# KiCad board SNES Device.kicad_pcb (continued)
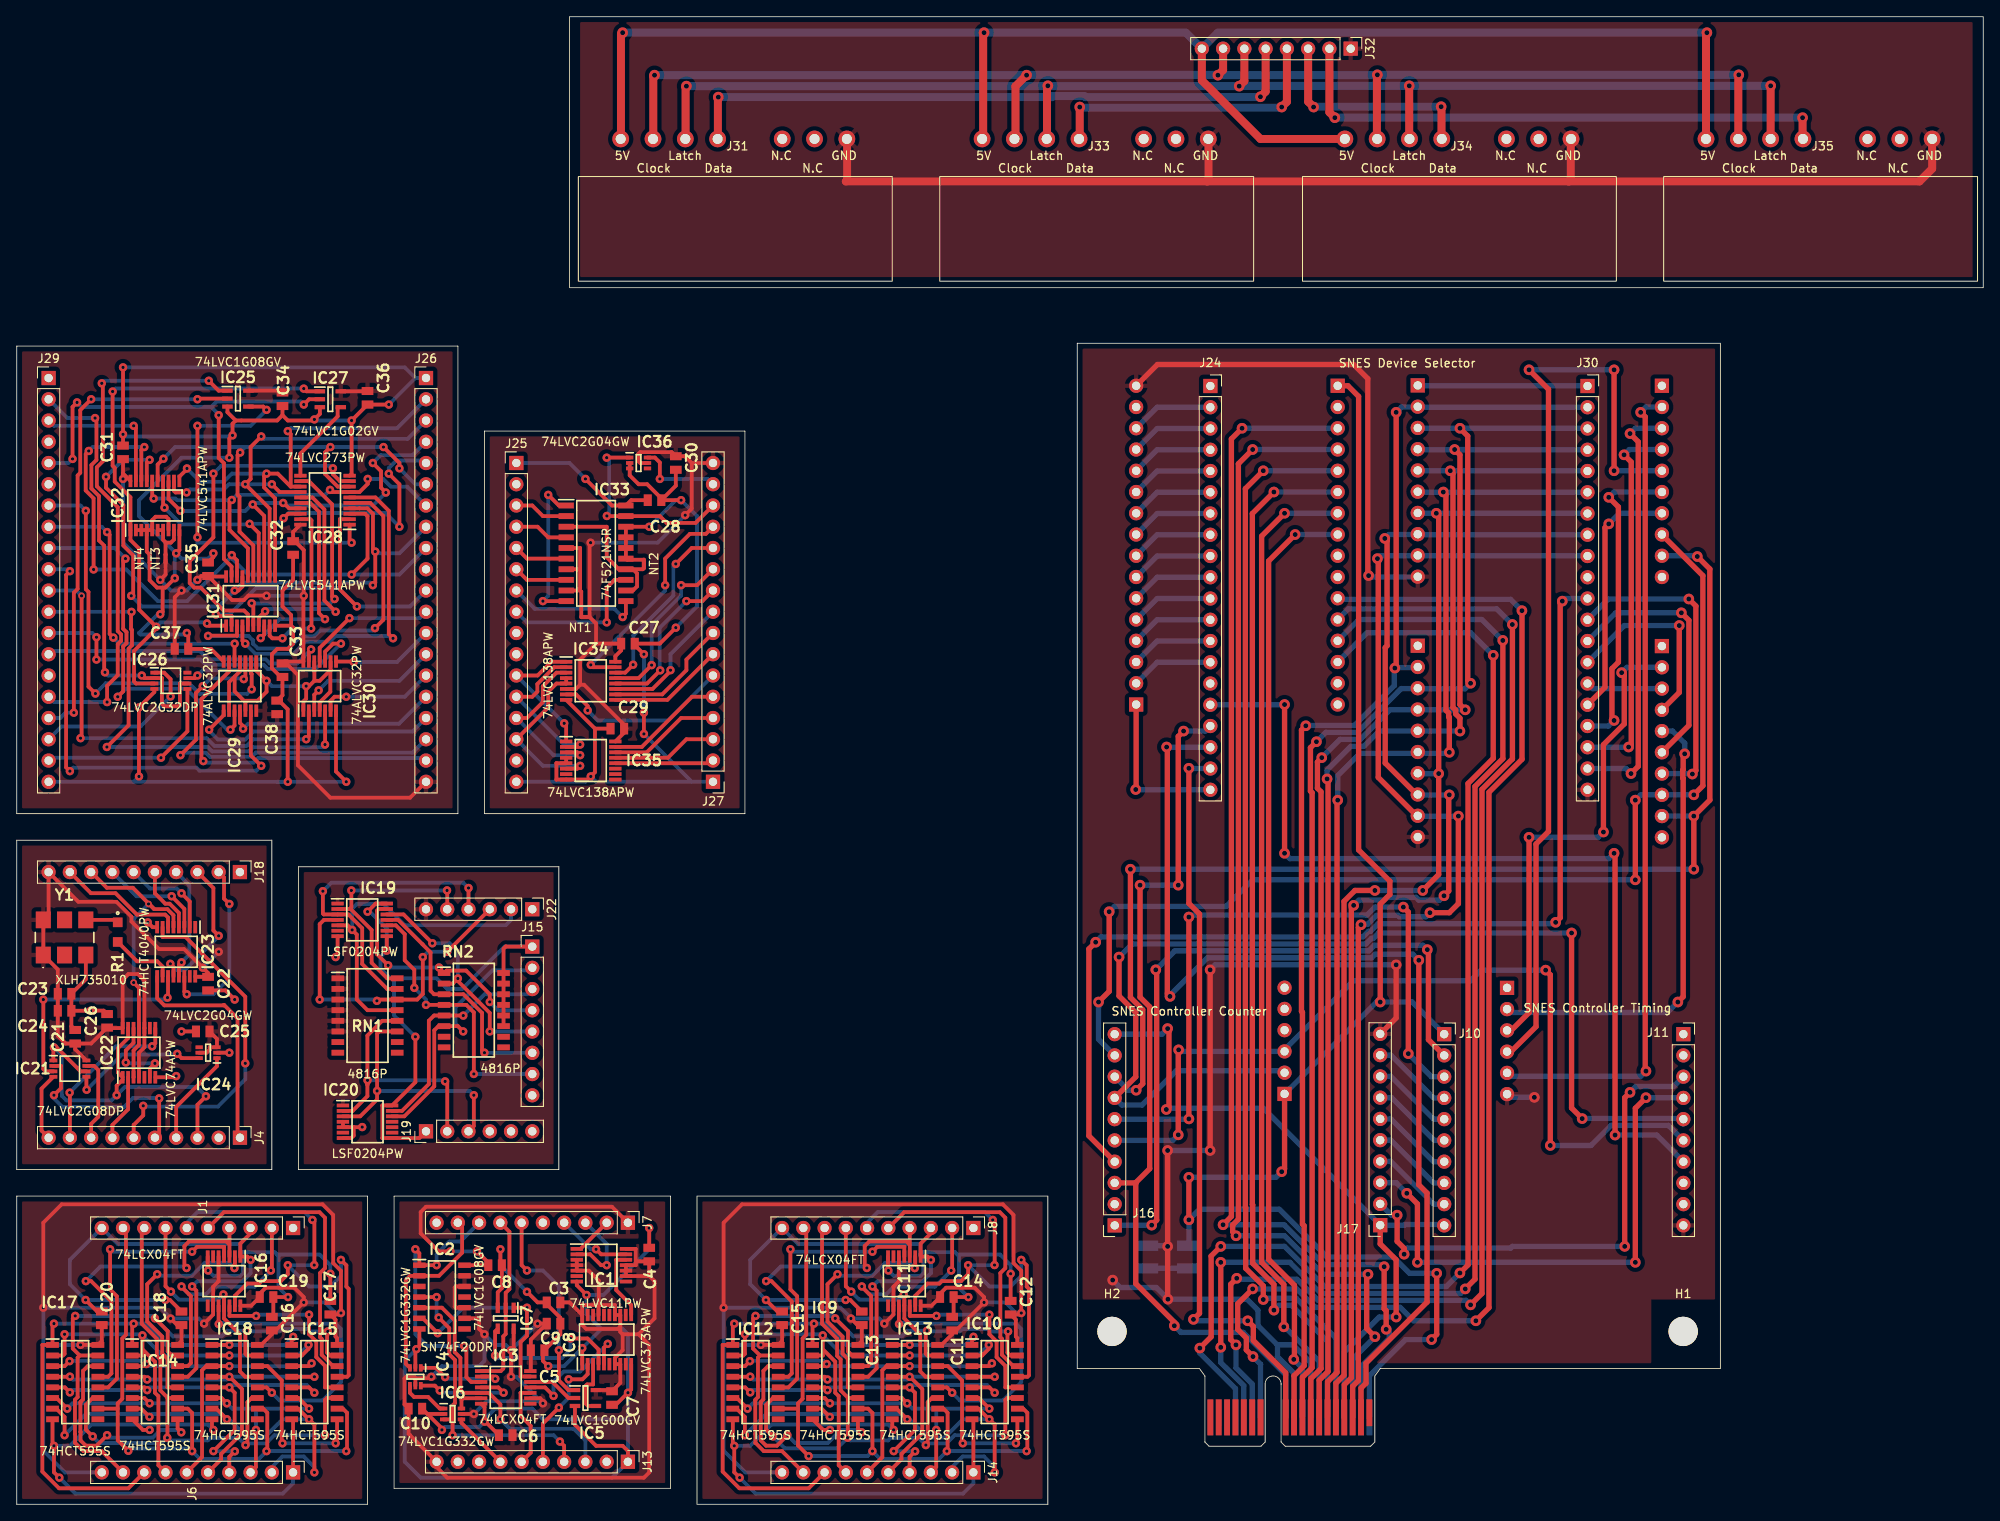
[diagram p0: board, top side]
## Routing (per net, layer and track width the routed paths; a pad name or vN(x,y) marks a point on that pad's centre or on a via; arc(x,y) is an arc through that point) (continued)
/Data7: length 154.6
  Top w0.635: v2(164.65,99.95) 164.81,100.1 v2(164.81,130.52) ; J2.A10 152.61,15.36 153.81,16.56 153.81,33.29 153.61,33.49 153.61,58.8 153.49,58.92 153.49,92.53 v2(154.01,93.05)
  Bottom w0.635: v2(154.01,93.05) 154.05,93.09 159.82,93.09 164.59,97.86 164.59,99.82 164.72,99.95 ; J30.2 167.38,131.12 ; 167.35,131.15 165.44,131.15 v2(164.81,130.52) ; v2(164.65,99.95) 164.71,100.01 167.32,100.01
/Identifier0: length 148.6
  Top w0.635: v2(163.37,28.4) 163.37,23.37 163.61,23.12 v2(163.61,20.91) ; v2(146.39,128.61) 145.12,127.34 145.12,34.41 v2(144.12,33.41)
  Bottom w0.635: J2.B2 160.61,16.46 163.99,19.85 163.99,20.53 v2(163.61,20.91) ; v2(163.37,28.4) 163.13,28.64 156.19,28.64 151.43,33.41 v2(144.12,33.41) ; J23.3 v2(146.39,128.61)
/Identifier1: length 141.5
  Top w0.635: v2(161.44,27.49) 161.29,27.34 161.29,21.01 v2(162.27,20.03) ; v2(147.66,126.07) 145.96,124.37 145.96,34.06 145.28,33.38 145.28,32.57 145.64,32.21
  Bottom w0.635: v2(162.27,20.03) 159.61,17.37 J2.B3 ; J23.4 v2(147.66,126.07) ; v2(145.67,32.09) 151.47,32.09 156.07,27.49 v2(161.44,27.49)
/Identifier2: length 129.9
  Top w0.635: v2(148.93,123.53) 146.79,121.39 146.79,35.48 146.83,35.45 146.83,28.21 148.93,26.1 v2(148.93,24.47)
  Bottom w0.635: J2.B5 157.61,19.88 152.87,24.61 149.07,24.61 v2(148.93,24.47) ; J23.5 v2(148.93,123.53)
/Identifier3: length 125.1
  Top w0.635: v2(150.2,120.99) 147.62,118.41 147.62,35.83 147.66,35.79 147.66,28.81 150.2,26.27 v2(150.2,23.2)
  Bottom w0.635: v2(150.2,23.2) 150.78,23.78 152.3,23.78 156.61,19.47 J2.B6 ; J23.6 v2(150.2,120.99)
/Identifier4: length 118.5
  Top w0.635: v2(151.38,21.21) 151.38,26.27 148.73,28.92 148.73,115.71 v2(151.47,118.45)
  Bottom w0.635: J2.B7 155.61,17.09 151.49,21.21 v2(151.38,21.21) ; J23.7 v2(151.47,118.45)
/Identifier5: length 113.7
  Top w0.635: v2(152.74,115.91) 149.57,112.74 149.57,29.26 152.65,26.18 152.65,17.4 v2(152.57,17.32)
  Bottom w0.635: v2(152.57,17.32) 153.61,16.28 J2.B9 ; J23.8 v2(152.74,115.91)
/SNES Controller Board/C Controller Clock: length 8
  Top w0.45: IC22.2 13.3,47.21 11.43,45.34 11.43,43.81
/SNES Controller Board/C Controller Latch: length 23.5
  Top w0.45: v1(4.45,48.89) 5.27,49.72 5.27,52.39 IC21.2 ; v1(17.02,48.51) 17.02,44.32 J4.5
  Bottom w0.45: v1(4.45,48.89) 4.45,48.51 5.46,47.5 12.83,47.5 13.88,48.55 16.98,48.55 v1(17.02,48.51)
/SNES Controller Board/C Counter Reset: length 11.5
  Top w0.45: J4.4 19.05,47.5 23.92,52.37 IC24.1
/SNES Controller Board/C Shift Clock: length 19.9
  Top w0.45: IC22.8 16.55,55.11 v1(16.18,54.74) ; v1(6.32,49.2) 6.35,49.17 J4.9
  Bottom w0.45: v1(6.32,49.2) 11.85,54.74 v1(16.18,54.74)
/SNES Controller Board/C ~{Reset}: length 45.5
  Top w0.45: J4.3 21.59,47.75 v1(22.61,48.77) ; 12.66,50.75 11.94,50.04 v1(11.94,48.89) ; IC21.6 7.63,51.75 4.76,54.61 v1(4.45,54.61) 4.38,54.54 IC21.1 ; IC22.1 12.11,51.59 12.11,54.53 13.3,55.73 IC22.13
  Bottom w0.45: v1(22.61,48.77) 21.5,49.88 12.92,49.88 v1(11.94,48.89) 11.32,48.28 5.93,48.28 5.39,48.82 5.39,53.66 v1(4.45,54.61)
/SNES Controller Board/C ~{Shift Reset}: length 10.1
  Top w0.45: 8.89,43.81 8.89,45.47 9.74,46.32 9.74,51.91 9.25,52.39 IC21.7
/SNES Controller Board/Controller A Data: length 98.8
  Top w0.635: v2(194.02,130.52) 194.56,129.97 194.56,51.86 v2(194.65,51.78)
  Bottom w0.635: v2(194.65,51.78) 194.03,51.15 178.46,51.15 J21.5 ; v2(194.02,130.52) 194.65,131.15 J3.2
/SNES Controller Board/Controller A ~{OE} High Byte: length 45.1
  Top w0.635: v2(192.03,125.44) 192.89,124.57 192.89,90.83 v2(192.58,90.51)
  Bottom w0.635: v2(192.58,90.51) 192.55,90.48 J30.18 ; J3.4 192.66,126.07 v2(192.03,125.44)
/SNES Controller Board/Controller A ~{OE} Low Byte: length 50.9
  Top w0.635: v2(192.86,87.34) 193.73,88.2 193.73,126.99 v2(192.75,127.98)
  Bottom w0.635: v2(192.75,127.98) 193.38,128.61 J3.3 ; v2(192.86,87.34) 192.26,87.94 J30.19
/SNES Controller Board/Controller B Data: length 112.7
  Top w0.635: v2(180.68,135.6) 183.01,133.27 183.01,80.41 181.52,78.92 181.52,57.09 178.53,54.1 J21.4 ; v2(190.84,123.53) v2(190.84,135.6)
  Bottom w0.635: v2(190.84,135.6) v2(180.68,135.6) ; J3.5 v2(190.84,123.53)
/SNES Controller Board/Controller B ~{OE} High Byte: length 29.5
  Top w0.635: v2(190.21,117.18) 189.76,116.73 189.76,97.65 J30.16
  Bottom w0.635: J3.7 191.48,118.45 v2(190.21,117.18)
/SNES Controller Board/Controller B ~{OE} Low Byte: length 37.6
  Top w0.635: v2(190.21,120.36) 191.36,119.2 191.36,100.65 190.59,99.88 190.59,93.94 v2(190.84,93.69)
  Bottom w0.635: J30.17 190.18,93.02 v2(190.84,93.69) ; J3.6 190.84,120.99 v2(190.21,120.36)
/SNES Controller Board/Controller C Data: length 58.9
  Top w0.635: v2(191.74,99.4) 192.06,99.08 192.06,93.28 189.57,90.79 v2(189.57,80.35) ; v2(180.68,79.72) 180.68,58.76 178.56,56.64 J21.3
  Bottom w0.635: J9.2 192.38,100.04 v2(191.74,99.4) ; v2(180.68,79.72) 188.94,79.72 v2(189.57,80.35)
/SNES Controller Board/Controller C ~{OE} High Byte: length 23.7
  Top w0.635: J9.4 198.63,97.03 v2(198.63,105.03)
  Bottom w0.635: v2(198.63,105.03) 192.05,105.03 J30.14
/SNES Controller Board/Controller C ~{OE} Low Byte: length 9.1
  Bottom w0.635: J9.3 188.27,97.5 J30.15
/SNES Controller Board/Controller Clock: length 131.4
  Top w0.635: J16.7 133.69,51.09 133.69,58.76 131.7,60.75 v2(131.7,65.41) ; v2(187.03,46.1) 185.76,47.37 v2(185.76,68.29)
  Bottom w0.635: v2(185.76,68.29) 162.72,68.29 162.08,67.65 161.85,67.65 161.18,66.98 133.27,66.98 v2(131.7,65.41) ; v2(187.03,46.1) 187.05,46.12 198.44,46.12 199.12,45.43 ; J16.7 132.03,47.72 134.44,47.72 138.53,51.81 151.47,51.81
/SNES Controller Board/Controller D Data: length 55.7
  Top w0.635: v2(199.28,89.7) 199.1,89.52 199.1,87.81 199.05,87.76 199.05,86.81 199.1,86.75 199.1,60.67 v2(198.46,60.03)
  Bottom w0.635: v2(198.46,60.03) 197.2,58.77 178.46,58.77 J21.2 ; J9.5 197.83,92.42 199.28,90.97 v2(199.28,89.7)
/SNES Controller Board/Controller D ~{OE} High Byte: length 38.2
  Top w0.635: v2(200.2,87.28) 200.61,87.7 200.61,107.36 v2(199.77,108.2)
  Bottom w0.635: J9.7 200.14,87.34 v2(200.2,87.28) ; J30.12 190.15,108.2 v2(199.77,108.2)
/SNES Controller Board/Controller D ~{OE} Low Byte: length 31
  Top w0.635: J9.6 199.78,93.1 199.78,105.65 v2(198.88,106.55)
  Bottom w0.635: J30.13 191.04,106.55 v2(198.88,106.55)
/SNES Controller Board/Controller Latch: length 104.8
  Top w0.635: v2(138.77,44.16) 138.77,54.27 v2(138.82,54.32) ; v2(183.22,42.89) 183.22,63.29 v2(182.67,63.84)
  Bottom w0.635: v2(138.82,54.32) 139.01,54.13 151.25,54.13 159.69,62.57 173.7,62.57 174.97,63.84 v2(182.67,63.84) ; J16.5 138.11,43.49 v2(138.77,44.16) ; J11.6 197.33,45.28 190.48,45.28 188.09,42.89 v2(183.22,42.89)
/SNES Controller Board/Counter 3.3V: length 85.8
  Top w0.45: Y1.6 Y1.1 4.91,63.92 C23.1 C24.1 4.91,56 5.84,55.07 C21.1 ; IC21.8 6.98,54.38 C21.1 ; IC23.16 21.39,63.04 C22.1 22.86,63.5 v1(22.22,64.13) 20,66.36 17,66.36 13.7,69.66 13.7,70.22 11.91,72.01 7.36,72.01 J18.10 3.8,70.48 ; C26.1 8.89,55.07 C21.1 ; C25.1 23.92,55.63 IC24.3 23.06,54.62 23.06,54.62 23.06,54.35 22.69,53.97 IC24.5 ; IC22.4 14.61,53.97 15.25,54.62 IC22.10 15.25,62.6 14.48,63.37 13.34,63.37 12.66,62.69 IC22.14 10.86,56.91
  Bottom w0.45: v1(22.22,64.13) v1(24.13,66.04)
/SNES Controller Board/Counter GND: length 33.3
  Top w0.45: C24.2 6.52,57.15 C21.2 ; C24.2 v1(8.82,58.99) 8.84,59 10.39,59 C26.2 ; C24.2 C23.2 8.25,62.75 Y1.3 ; v1(15.66,69.55) 16.23,68.98 IC23.8 ; IC21.4 2.96,49.68 2.96,44.66 J4.10 ; v1(26.04,60.32) 24.94,61.42 C22.2 ; IC22.7 18.91,51.04 v1(19.05,51.18) ; IC24.2 v1(25.4,53.97) ; C25.2 v1(19.68,56.51)
/SNES Controller Board/Counter Reset: length 125.6
  Top w0.635: v2(183.86,69.56) 184.4,70.1 184.4,107.7 v2(184.66,107.95) ; J16.4 128.09,44.03 128.09,66.37 v2(128.91,67.18)
  Bottom w0.635: J30.11 184.97,108.26 v2(184.66,107.95) ; v2(183.86,69.56) 183.69,69.39 162.64,69.39 161.73,68.48 161.51,68.48 160.84,67.81 129.54,67.81 v2(128.91,67.18)
/SNES Controller Board/COUNTER_IN0: length 4.4
  Top w0.45: J7.2 67.35,30.53
/SNES Controller Board/COUNTER_IN1: length 10.2
  Top w0.45: IC1.2 68.51,29.88 69.81,28.57 v1(70.48,28.57)
  Bottom w0.45: J7.3 70.48,31.11 v1(70.48,28.57)
/SNES Controller Board/COUNTER_IN2: length 9
  Top w0.45: IC1.13 69.82,29.88 v1(69.21,30.48)
  Bottom w0.45: v1(69.21,30.48) 68.58,30.48 J7.4
/SNES Controller Board/COUNTER_IN4: length 24.2
  Top w0.45: v1(64.77,18.41) 64.77,14.8 65.92,13.65 IC5.1 ; J7.6 60.32,28.58 v1(60.96,27.94)
  Bottom w0.45: v1(64.77,18.41) 64.77,26.03 62.86,27.94 v1(60.96,27.94)
/SNES Controller Board/COUNTER_IN5: length 21
  Top w0.45: J7.7 58.86,32.57 58.86,25.72 58.42,25.27 IC7.2 58.42,20.36 58.13,20.07 58.13,16.22 57.83,15.92 IC3.1
/SNES Controller Board/COUNTER_IN6: length 34.5
  Top w0.45: IC3.3 54.29,14.62 53.72,15.19 53.72,18.67 v1(53.47,18.92) ; v1(47.62,30.48) 48.1,30 IC2.1 v1(50.17,28.57)
  Bottom w0.45: v1(53.47,18.92) 49.02,18.92 47.62,20.32 v1(47.62,30.48) ; J7.8 52.99,31.4 51.69,31.4 50.17,29.88 v1(50.17,28.57)
/SNES Controller Board/COUNTER_IN7: length 22.2
  Top w0.45: J7.9 53.21,33.14 53.21,30.07 50.45,27.31 IC2.2 ; IC4.3 46.48,16.79 46.48,26.8 46.99,27.31 47.67,27.31
/SNES Controller Board/COUNTER_IN8: length 36.6
  Top w0.45: J13.4 65.4,6.99 v1(64.9,7.49) ; IC6.3 51.87,10.14 52.07,9.94 v1(52.07,8.25) ; v1(50.41,22.32) 51.68,21.05 51.68,17.92 52.36,17.24 52.36,12.09 52.07,11.81 52.07,9.91 ; IC2.4 v1(50.16,24.76)
  Bottom w0.45: v1(52.07,8.25) 64.13,8.25 v1(64.9,7.49) ; v1(50.16,24.76) 50.16,22.57 v1(50.41,22.32)
/SNES Controller Board/COUNTER_IN9: length 34.5
  Top w0.45: v1(57.78,10.16) 57.78,11.93 56.4,13.32 IC3.5 53.35,13.32 53.01,13.67 53.01,17.51 52.33,18.19 52.33,21.97 50.8,23.5 IC2.5
  Bottom w0.45: J13.3 67.94,7.62 66.55,9.02 58.93,9.02 v1(57.78,10.16)
/SNES Controller Board/COUNTER_OUT0: length 27.2
  Top w0.45: 26.38,44.1 26.38,58.07 24.76,59.69 24.71,59.63 17.63,59.63 16.77,60.49 IC23.9
/SNES Controller Board/COUNTER_OUT1: length 41.7
  Top w0.45: v1(15.11,47.62) 15.11,46.48 13.97,45.34 J4.6 ; v1(27.3,52.7) 27.3,60.66 20.15,67.82 17.43,67.82 17.43,67.82 IC23.7
  Bottom w0.45: v1(27.3,52.7) 27.3,50.8 24.04,47.53 15.2,47.53 v1(15.11,47.62)
/SNES Controller Board/COUNTER_OUT2: length 15.1
  Top w0.45: J18.9 8.87,73.04 11.8,73.04 14.35,70.48 17.73,70.48 18.07,70.14 18.07,68.98
/SNES Controller Board/COUNTER_OUT3: length 36.3
  Top w0.45: 16.43,71.13 18,71.13 18.72,70.41 IC23.5 ; 16.43,71.13 13.87,73.69 10.76,73.69 J18.8 ; 16.43,71.13 15.81,71.75 v3(15.75,71.75) ; IC22.3 13.96,54.24 14.61,54.89 IC22.11 14.61,61.72 v3(13.97,62.36)
  Bottom w0.45: v3(15.75,71.75) 13.97,69.98 v3(13.97,62.36)
/SNES Controller Board/COUNTER_OUT4: length 12.6
  Top w0.45: IC23.3 20.03,71.16 v1(18.51,72.68)
  Bottom w0.45: J18.7 14.31,72.68 v1(18.51,72.68)
/SNES Controller Board/COUNTER_OUT5: length 11.2
  Top w0.45: IC23.2 20.68,72.03 v1(19.68,73.02)
  Bottom w0.45: J18.6 15.93,73.6 19.11,73.6 v1(19.68,73.02)
/SNES Controller Board/COUNTER_OUT6: length 8.1
  Top w0.45: IC23.4 19.37,70.68 18.27,71.78 17.75,71.78 16.5,73.03 J18.5
/SNES Controller Board/COUNTER_OUT7: length 13.6
  Top w0.45: IC23.13 19.37,64.46 v1(19.68,64.77)
  Bottom w0.45: J18.4 20.61,74 20.61,65.69 v1(19.68,64.77)
/SNES Controller Board/COUNTER_OUT8: length 18.1
  Top w0.45: IC23.12 18.72,64.22 v1(18.35,64.6) ; J18.3 23.5,73.65 23.5,68.58 v1(24.13,67.94)
  Bottom w0.45: v1(18.35,64.6) 19.1,63.85 20.07,63.85 24.13,67.91 v1(24.13,67.94)
/SNES Controller Board/COUNTER_OUT9: length 21.4
  Top w0.45: v1(20.32,60.96) 20.03,61.25 IC23.14 ; v1(25.4,71.75) 24.76,72.39 24.76,74.92 J18.2
  Bottom w0.45: v1(25.4,71.75) 25.4,62.86 23.5,60.96 v1(20.32,60.96)
/SNES Controller Board/COUNTER_VALUE0: length 82.6
  Top w0.635: v2(168.53,66.29) 168.67,66.16 168.67,55.53 J10.2 ; v2(136.09,63.88) 136.19,63.77 136.19,33.96 v2(135.6,33.36)
  Bottom w0.635: v2(135.6,33.36) 131.21,33.36 ; v2(136.09,63.88) 138.35,66.15 161.53,66.15 162.2,66.81 168.01,66.81 v2(168.53,66.29)
/SNES Controller Board/COUNTER_VALUE1: length 82.3
  Top w0.635: v2(165.67,71.38) 166.26,70.79 v2(166.26,53.86) ; v2(140.04,46.06) v2(140.04,70.19)
  Bottom w0.635: J10.3 169.01,51.11 v2(166.26,53.86) ; v2(140.04,70.19) 140.27,70.42 161.31,70.42 162.27,71.38 v2(165.67,71.38) ; 131.18,46.03 140.01,46.03 v2(140.04,46.06)
/SNES Controller Board/COUNTER_VALUE2: length 9.8
  Bottom w0.635: J17.9 164.17,53.68 169.28,48.57 J10.4
/SNES Controller Board/COUNTER_VALUE3: length 9.8
  Bottom w0.635: J17.8 164.17,51.14 169.28,46.03 J10.5
/SNES Controller Board/COUNTER_VALUE4: length 9.8
  Bottom w0.635: J10.6 169.37,43.49 164.26,48.6 J17.7
/SNES Controller Board/COUNTER_VALUE5: length 9.8
  Bottom w0.635: J17.6 164.17,46.06 169.28,40.95 J10.7
/SNES Controller Board/COUNTER_VALUE6: length 9.8
  Bottom w0.635: J17.5 164.17,43.52 169.28,38.41 J10.8
/SNES Controller Board/COUNTER_VALUE7: length 9.8
  Bottom w0.635: J10.9 169.28,35.87 164.17,40.98 J17.4
/SNES Controller Board/COUNTER_VALUE8: length 63.2
  Top w0.635: v2(166.08,37.17) 167.35,35.9 v2(167.35,28.92) ; v2(194.65,48.6) 193.38,47.33 v2(193.38,28.92)
  Bottom w0.635: J17.3 164.81,38.44 v2(166.08,37.17) ; v2(194.65,48.6) 199.09,48.6 ; v2(193.38,28.92) v2(167.35,28.92)
/SNES Controller Board/COUNTER_VALUE9: length 60.4
  Top w0.635: v2(192.11,30.82) 192.11,48.6 v2(192.75,49.24) ; v2(164.92,34.56) 164.92,31.43 165.76,30.59 v2(165.76,29.89)
  Bottom w0.635: v2(192.11,30.82) 178.69,30.82 178.49,30.62 166.15,30.62 165.76,30.23 v2(165.76,29.89) ; v2(164.92,34.56) 164.25,34.56 J17.2 ; v2(192.75,49.24) 193.45,49.94 197.95,49.94 J11.3
/SNES Controller Board/Shift Clock: length 133.3
  Top w0.635: v2(130.52,70.83) 130.52,61.3 v2(129.25,60.03) ; v2(193.38,74.64) v2(193.38,84.16) ; J3.8 196.56,115.89 201.45,110.99 201.45,85.88 v2(200.37,84.8)
  Bottom w0.635: v2(193.38,74.64) 147.66,74.64 144.49,71.46 131.15,71.46 v2(130.52,70.83) ; v2(193.38,84.16) 194.02,84.8 J9.8 v2(200.37,84.8) ; J16.9 129.25,55.58 v2(129.25,60.03)
/SNES Controller Board/SNES Controller Counter/HCT4040 MR: length 27.1
  Top w0.45: v1(3.18,60.32) 3.18,52.02 3.45,51.75 IC21.3 ; IC23.11 18.07,60.62 v1(18.01,60.56)
  Bottom w0.45: v1(18.01,60.56) 17.78,60.32 v1(3.18,60.32)
/SNES Controller Board/SNES Controller Shift Register1/Controller A Data: length 28.7
  Top w0.45: v1(19.68,26.03) 19.68,26 20.8,24.88 20.8,16.88 20.43,16.51 IC14.14 ; v1(30.36,27.94) 30.48,28.06 30.48,33.01
  Bottom w0.45: v1(19.68,26.03) 19.68,26 20.57,25.11 22.61,25.11 23.5,26.01 28.43,26.01 v1(30.36,27.94)
/SNES Controller Board/SNES Controller Shift Register1/Controller A ~{OE} High Byte: length 39.2
  Top w0.45: v1(8.25,26.67) 8.89,26.67 11.31,24.25 11.31,15.64 10.91,15.24 IC17.13 ; v1(20.29,28.24) 20.03,28.5 20.03,30.86 20.59,31.42 25.03,31.42 25.42,31.04 ; 25.42,33 25.42,29.61
  Bottom w0.45: v1(20.29,28.24) 20.12,28.42 10,28.42 v1(8.25,26.67)
/SNES Controller Board/SNES Controller Shift Register1/Controller A ~{OE} Low Byte: length 27.2
  Top w0.45: v1(20.96,26.03) 21.45,25.54 21.45,16.26 20.43,15.24 IC14.13 ; J1.3 27.93,32.38 26.71,31.16 26.71,29.61 27.54,29.61 v1(27.94,29.21)
  Bottom w0.45: v1(20.96,26.03) 21.58,26.66 26.97,26.66 27.94,27.63 v1(27.94,29.21)
/SNES Controller Board/SNES Controller Shift Register1/Controller B Data: length 33.7
  Top w0.45: 37.79,16.51 36.44,17.86 36.44,19.77 36.24,19.96 36.24,27.64 36.83,28.23 36.83,34.25 36.17,34.91 24.75,34.91 J1.5
/SNES Controller Board/SNES Controller Shift Register1/Controller B ~{OE} High Byte: length 27.2
  Top w0.45: v1(18.42,25.41) 17.78,26.06 J1.7 ; IC18.13 27.3,15.24 26.67,15.88 26.67,20.3 24.76,22.21 IC16.11 24.76,25.01 v1(24.69,25.08)
  Bottom w0.45: v1(24.69,25.08) 24.07,24.46 19.38,24.46 v1(18.42,25.41)
/SNES Controller Board/SNES Controller Shift Register1/Controller B ~{OE} Low Byte: length 60.3
  Top w0.45: IC15.13 39.48,15.24 39.66,15.42 39.66,25.75 39.38,26.02 39.38,28.56 v1(38.73,29.21) ; v1(35.33,33.99) 35.56,33.75 35.56,28.61 v1(35.54,28.59) ; v1(32.39,28.57) 32.39,27.51 31.55,26.67 29.25,26.67 28.96,26.38 27.53,26.38 26.07,24.92 IC16.13
  Bottom w0.45: J1.6 20.32,33.65 21.59,34.92 34.39,34.92 v1(35.33,33.99) ; v1(38.73,29.21) 38.73,27.31 37.47,26.03 34.92,26.03 v1(32.39,28.57) 35.52,28.57 v1(35.54,28.59)
/SNES Controller Board/SNES Controller Shift Register1/Shift Clock: length 75
  Top w0.45: IC17.11 9.07,12.7 8.25,11.89 8.25,8.93 v1(9.07,8.11) ; IC18.11 28.06,12.7 27.56,12.2 27.56,7.3 v1(27.33,7.07) ; 18.01,12.7 18.01,12.75 17.16,13.6 17.16,17.31 16.74,17.74 16.74,19.77 14.94,21.57 14.94,32.72 ; 18.01,12.7 IC14.11 ; 18.01,12.7 18.01,7.97 v1(17.99,7.95) ; v1(36.83,8.25) 36.83,12.47 37.06,12.7 IC15.11
  Bottom w0.45: v1(36.83,8.25) 30.78,8.25 29.8,7.27 27.53,7.27 v1(27.33,7.07) 26.5,7.91 23.11,7.91 22.84,7.63 18.3,7.63 v1(17.99,7.95) 17.35,7.32 9.87,7.32 v1(9.07,8.11)
/SNES Controller Board/SNES Controller Shift Register1/SHIFT_OUT0: length 71.2
  Top w0.45: 7.53,17.78 7.27,17.53 7.27,12.81 6.97,12.5 6.97,12.44 6.96,12.42 6.96,8.39 6.97,8.37 6.97,7.37 6.98,7.35 6.98,7.34 7.97,6.35 10.16,6.35 J6.9 ; 7.53,17.78 6.7,18.61 6.7,22.22 v1(6.98,22.51) ; 7.53,17.78 IC17.15 ; IC18.15 27.53,17.78 27.32,17.99 27.32,20.59 v1(27.48,20.75) ; IC14.15 18.53,17.78 18.03,18.28 18.03,20.7 v1(16.51,22.22) ; IC15.15 37.43,17.78 37.08,18.13 37.08,20.58 v1(37.16,20.66)
  Bottom w0.45: v1(37.16,20.66) 35.05,20.66 34.77,20.94 31.68,20.94 31.4,20.67 27.56,20.67 v1(27.48,20.75) 25.15,20.75 24.48,20.07 18.67,20.07 v1(16.51,22.22) 16.22,22.51 v1(6.98,22.51)
/SNES Controller Board/SNES Controller Shift Register1/SHIFT_OUT1: length 68.5
  Top w0.45: IC15.1 32.85,19.84 v1(33.02,20.02) ; v1(4.45,21.59) 4.27,21.42 IC17.1 3.06,19.05 3.06,3.91 5.06,1.91 13.34,1.91 J6.8 ; IC14.1 13.8,21.42 v1(13.97,21.59) ; IC18.1 v1(25.4,19.05)
  Bottom w0.45: v1(4.45,21.59) v1(13.97,21.59) 15.28,21.59 17.82,19.05 v1(25.4,19.05) 25.42,19.03 32.04,19.03 v1(33.02,20.02)
/SNES Controller Board/SNES Controller Shift Register1/SHIFT_OUT2: length 59
  Top w0.45: IC17.2 5.51,17.78 5.71,17.98 v1(5.71,20.32) ; IC15.2 34.06,17.78 34.86,18.58 v1(34.86,19.05) ; IC14.2 15.01,17.78 15.02,17.78 v1(15.02,20.19) ; J6.7 16.93,4.66 16.93,12.92 16.51,13.33 16.51,17.04 15.02,18.54 ; v1(25.4,17.78) IC18.2
  Bottom w0.45: v1(34.86,19.05) 33.59,17.78 v1(25.4,17.78) 17.42,17.78 v1(15.02,20.19) 14.88,20.32 v1(5.71,20.32)
/SNES Controller Board/SNES Controller Shift Register1/SHIFT_OUT3: length 52.4
  Top w0.45: v1(15.49,16.76) 15.24,16.51 IC14.3 ; IC17.3 5.71,16.51 v1(6.31,17.11) ; v1(25.4,16.51) IC18.3 22.63,16.51 22.14,16.01 22.14,5.63 J6.6 ; v1(35.23,16.84) 34.89,16.51 IC15.3
  Bottom w0.45: v1(35.23,16.84) 34.89,16.51 v1(25.4,16.51) 15.74,16.51 v1(15.49,16.76) 15.1,17.14 6.35,17.14 v1(6.31,17.11)
/SNES Controller Board/SNES Controller Shift Register1/SHIFT_OUT4: length 52.1
  Top w0.45: J6.5 24.42,5.37 24.42,6 26.91,8.5 26.91,13.77 25.44,15.24 v1(25.4,15.24) IC18.4 ; IC14.4 15.26,15.24 v1(15.59,14.91) ; IC17.4 6.34,15.24 v1(6.35,15.25) ; IC15.4 v1(35.56,15.24)
  Bottom w0.45: v1(35.56,15.24) 35.54,15.26 25.42,15.26 v1(25.4,15.24) 25.07,14.91 v1(15.59,14.91) 6.69,14.91 v1(6.35,15.25)
/SNES Controller Board/SNES Controller Shift Register1/SHIFT_OUT5: length 53.6
  Top w0.45: IC14.5 15.26,13.97 v1(15.59,13.64) ; IC18.5 v1(25.4,13.97) 26.04,13.33 26.04,8.89 v1(23.5,6.35) ; v1(35.56,13.33) 34.92,13.97 IC15.5 ; J6.4 25.39,5.67 v1(26.05,6.33) ; v1(6.35,13.37) 5.75,13.97 IC17.5
  Bottom w0.45: v1(6.35,13.37) 6.62,13.64 v1(15.59,13.64) 15.91,13.97 v1(25.4,13.97) 25.69,14.26 34.64,14.26 v1(35.56,13.33) ; v1(26.05,6.33) 26.04,6.35 v1(23.5,6.35)
/SNES Controller Board/SNES Controller Shift Register1/SHIFT_OUT6: length 46.1
  Top w0.45: 4.76,12.7 v1(6.03,11.43) ; v1(25.11,12.06) 24.48,12.7 IC18.6 ; J6.3 28.57,4.45 v1(28.57,8.89) ; IC15.6 33.66,12.7 v1(34.92,11.43) ; v1(15.88,12.06) 15.24,12.7 IC14.6
  Bottom w0.45: 28.57,11.43 v1(34.92,11.43) ; 28.57,11.43 v1(28.57,8.89) ; 28.57,11.43 25.75,11.43 v1(25.11,12.06) v1(15.88,12.06) 6.67,12.06 v1(6.03,11.43)
/SNES Controller Board/SNES Controller Shift Register1/SHIFT_OUT7: length 57.1
  Top w0.45: 23.84,11.43 v1(25.11,10.16) ; v1(5.71,8.25) 5.71,10.44 4.72,11.43 ; IC15.7 33.62,11.43 34.89,10.16 v1(34.92,10.16) 35.56,9.53 v1(35.56,3.81) ; v1(15.86,10.45) 14.88,11.43 IC14.7
  Bottom w0.45: v1(5.71,8.25) 8.25,10.79 15.51,10.79 v1(15.86,10.45) 16.2,10.79 24.48,10.79 v1(25.11,10.16) 25.38,10.16 27.58,7.97 29.57,7.97 31.77,10.16 v1(34.92,10.16) ; v1(35.56,3.81) 35.56,4.44 34.29,5.72 31.75,5.72 30.47,4.44 J6.2
/SNES Controller Board/SNES Controller Shift Register1/~{Shift Reset}: length 75.2
  Top w0.45: v1(20.96,6.35) 20.96,10.91 20.43,11.43 IC14.10 ; IC15.10 38.96,11.43 39.46,10.93 39.46,6.44 v1(39.37,6.35) ; 13.05,32.67 13.05,20.26 12.61,19.82 12.61,12.61 12.07,12.06 12.07,7.66 v1(13.34,6.39) ; IC17.10 12.07,11.43 ; IC18.10 29.44,11.43 29.93,10.93 29.93,6.44 v1(29.85,6.35)
  Bottom w0.45: v1(39.37,6.35) 39.36,6.36 29.86,6.36 v1(29.85,6.35) 28.9,5.41 21.9,5.41 v1(20.96,6.35) 20.64,6.67 13.61,6.67 v1(13.34,6.39)
/SNES Controller Board/SNES Controller Shift Register/Controller A Data: length 28.7
  Top w0.45: IC9.14 101.71,16.51 102.08,16.88 102.08,24.88 100.96,26 v1(100.96,26.03) ; v1(111.64,27.94) 111.76,28.06 111.76,33.01
  Bottom w0.45: v1(111.64,27.94) 109.71,26.01 104.78,26.01 103.89,25.11 101.85,25.11 100.96,26 v1(100.96,26.03)
/SNES Controller Board/SNES Controller Shift Register/Controller A ~{OE} High Byte: length 39.2
  Top w0.45: v1(89.53,26.67) 90.17,26.67 92.59,24.25 92.59,15.64 92.19,15.24 IC12.13 ; v1(101.57,28.24) 101.31,28.5 101.31,30.86 101.87,31.42 106.31,31.42 106.69,31.04 ; 106.69,33 106.69,29.61
  Bottom w0.45: v1(89.53,26.67) 91.28,28.42 101.4,28.42 v1(101.57,28.24)
/SNES Controller Board/SNES Controller Shift Register/Controller A ~{OE} Low Byte: length 27.2
  Top w0.45: IC9.13 101.71,15.24 102.73,16.26 102.73,25.54 v1(102.23,26.03) ; J8.3 109.21,32.38 107.99,31.16 107.99,29.61 108.82,29.61 v1(109.22,29.21)
  Bottom w0.45: v1(109.22,29.21) 109.22,27.63 108.25,26.66 102.86,26.66 v1(102.23,26.03)
/SNES Controller Board/SNES Controller Shift Register/Controller B Data: length 33.7
  Top w0.45: 119.07,16.51 117.72,17.86 117.72,19.77 117.52,19.96 117.52,27.64 118.11,28.23 118.11,34.25 117.45,34.91 106.03,34.91 J8.5
/SNES Controller Board/SNES Controller Shift Register/Controller B ~{OE} High Byte: length 27.2
  Top w0.45: v1(105.97,25.08) 106.05,25.01 IC11.11 106.05,22.21 107.95,20.3 107.95,15.88 108.58,15.24 IC13.13 ; J8.7 99.05,26.06 v1(99.7,25.41)
  Bottom w0.45: v1(105.97,25.08) 105.35,24.46 100.66,24.46 v1(99.7,25.41)
/SNES Controller Board/SNES Controller Shift Register/Controller B ~{OE} Low Byte: length 60.3
  Top w0.45: IC10.13 120.76,15.24 120.94,15.42 120.94,25.75 120.66,26.02 120.66,28.56 v1(120.02,29.21) ; v1(113.67,28.57) 113.67,27.51 112.83,26.67 110.53,26.67 110.24,26.38 108.81,26.38 107.34,24.92 IC11.13 ; v1(116.82,28.59) 116.84,28.61 116.84,33.75 v1(116.61,33.99)
  Bottom w0.45: v1(116.61,33.99) 115.67,34.92 102.87,34.92 101.59,33.65 J8.6 ; v1(116.82,28.59) 116.8,28.57 v1(113.67,28.57) 116.2,26.03 118.74,26.03 120.02,27.31 v1(120.02,29.21)
/SNES Controller Board/SNES Controller Shift Register/Shift Clock: length 75.5
  Top w0.45: v1(99.27,7.95) 99.29,7.97 99.29,12.7 ; v1(118.11,8.25) 118.11,12.47 118.34,12.7 IC10.11 ; 99.29,12.7 99.29,12.75 98.44,13.6 98.44,17.31 98.02,17.74 98.02,19.77 96.22,21.57 96.22,32.72 ; 99.29,12.7 IC9.11 ; v1(90.35,8.11) 89.53,8.93 89.53,11.89 90.35,12.7 IC12.11 ; v1(108.61,7.07) 108.84,7.3 108.84,12.2 109.34,12.7 IC13.11
  Bottom w0.45: v1(90.35,8.11) 91.78,6.68 98,6.68 v1(99.27,7.95) 99.58,7.63 104.12,7.63 104.39,7.91 107.78,7.91 v1(108.61,7.07) 108.81,7.27 111.08,7.27 112.06,8.25 v1(118.11,8.25)
/SNES Controller Board/SNES Controller Shift Register/SHIFT_OUT0: length 71.2
  Top w0.45: v1(118.44,20.66) 118.36,20.58 118.36,18.13 118.71,17.78 IC10.15 ; IC9.15 99.81,17.78 99.31,18.28 99.31,20.7 v1(97.79,22.22) ; v1(108.76,20.75) 108.6,20.59 108.6,17.99 108.81,17.78 IC13.15 ; 88.81,17.78 88.55,17.53 88.55,12.81 88.25,12.5 88.25,12.44 88.24,12.42 88.24,8.39 88.25,8.37 88.25,7.37 88.27,7.35 88.27,7.34 89.25,6.35 91.44,6.35 J14.9 ; 88.81,17.78 IC12.15 ; 88.81,17.78 87.98,18.61 87.98,22.22 v1(88.27,22.51)
  Bottom w0.45: v1(88.27,22.51) 97.5,22.51 v1(97.79,22.22) 99.95,20.07 105.76,20.07 106.43,20.75 v1(108.76,20.75) 108.84,20.67 112.68,20.67 112.96,20.94 116.05,20.94 116.33,20.66 v1(118.44,20.66)
/SNES Controller Board/SNES Controller Shift Register/SHIFT_OUT1: length 68.5
  Top w0.45: J14.8 94.61,1.91 86.34,1.91 84.34,3.91 84.34,19.05 IC12.1 85.55,21.42 v1(85.72,21.59) ; IC13.1 v1(106.68,19.05) ; IC10.1 114.13,19.84 v1(114.3,20.02) ; IC9.1 95.08,21.42 v1(95.25,21.59)
  Bottom w0.45: v1(85.72,21.59) v1(95.25,21.59) 96.56,21.59 99.1,19.05 v1(106.68,19.05) 106.7,19.03 113.32,19.03 v1(114.3,20.02)
/SNES Controller Board/SNES Controller Shift Register/SHIFT_OUT2: length 59
  Top w0.45: v1(86.99,20.32) 86.99,17.98 86.79,17.78 IC12.2 ; v1(96.3,20.19) 96.3,17.78 96.29,17.78 IC9.2 ; 96.3,18.54 97.79,17.04 97.79,13.33 98.2,12.92 98.2,4.66 J14.7 ; IC10.2 115.34,17.78 116.14,18.58 v1(116.14,19.05) ; v1(106.68,17.78) IC13.2